# Altium PCB LTE-To-Serial-Adapter.PcbDoc (part 1 of 2)
Units mil, origin at the board's own origin, x right, y up, seen from the top; angles counter-clockwise.
Board outline 3800 x 1540 mil, 4 copper layers (Top Layer, Mid Layer 1 Sig, Mid Layer 2 GND, Bottom Layer), stack 63.912 mil thick; 80 components, 50 nets, 250 pads, 82 vias.
Unrouted connection lines stored in the file: 40.
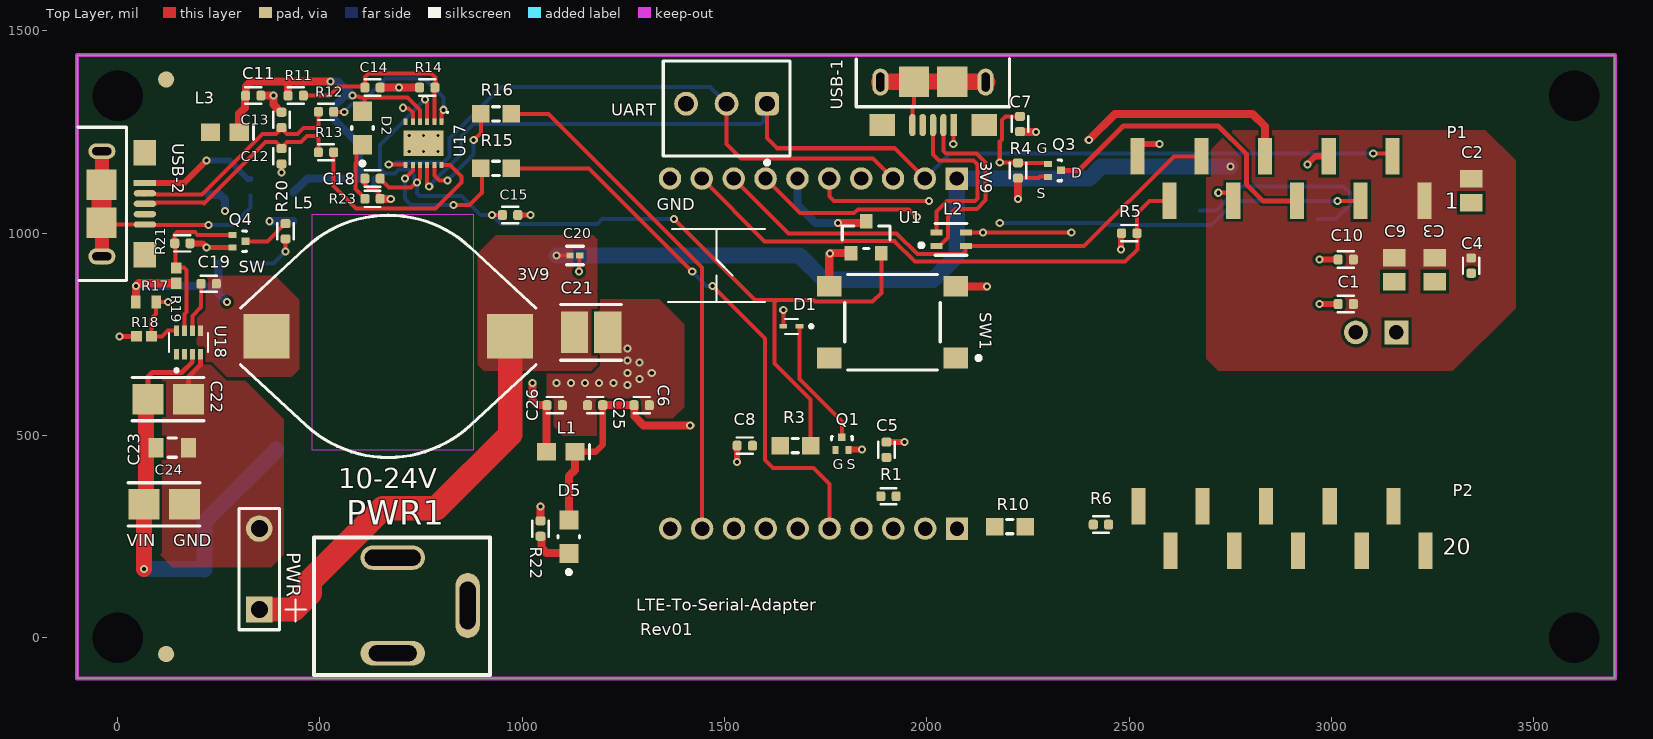
[diagram p0: Top Layer view]
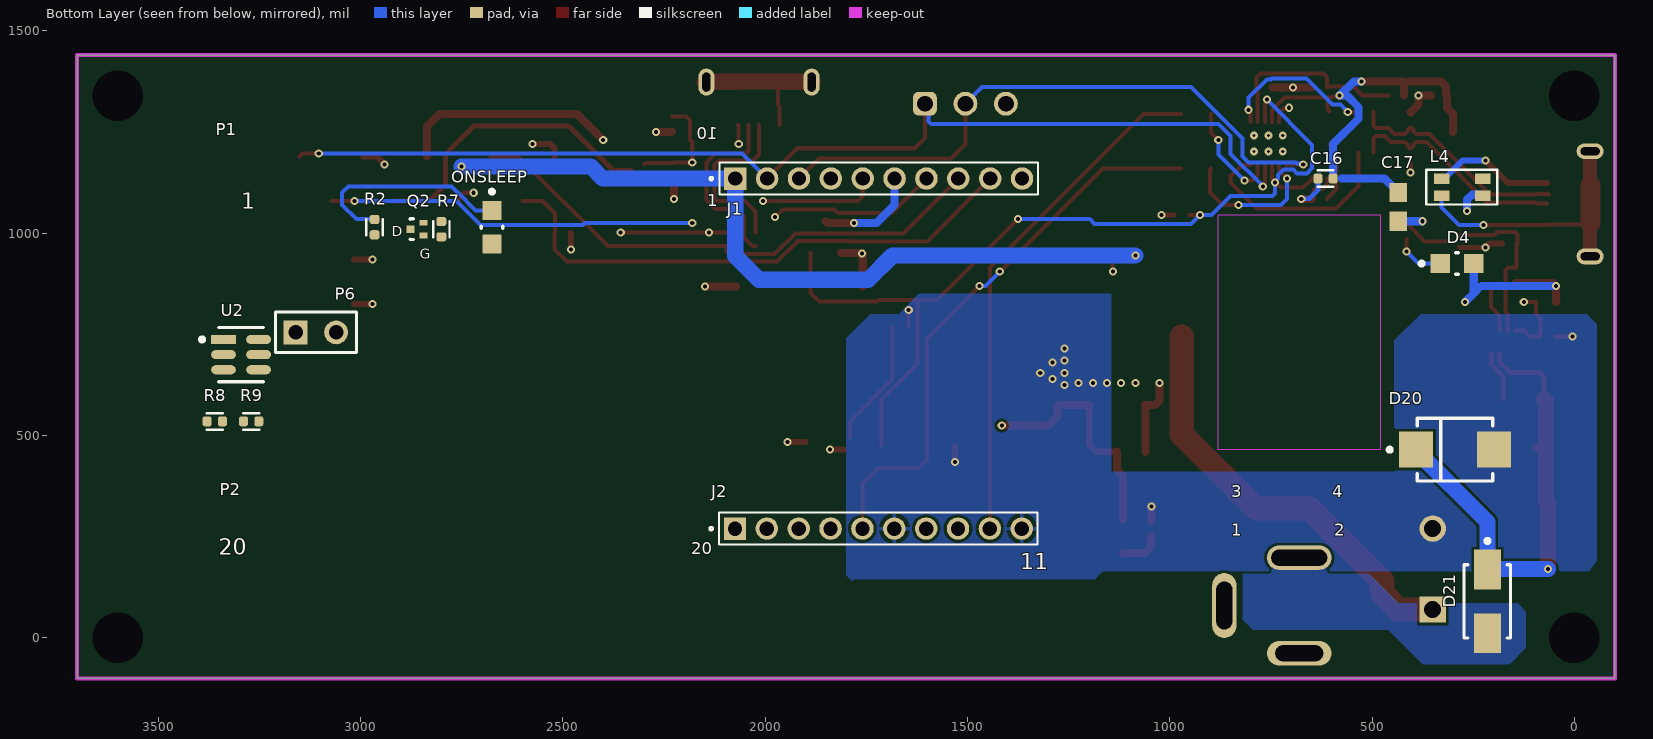
[diagram p1: Bottom Layer view, seen from below]
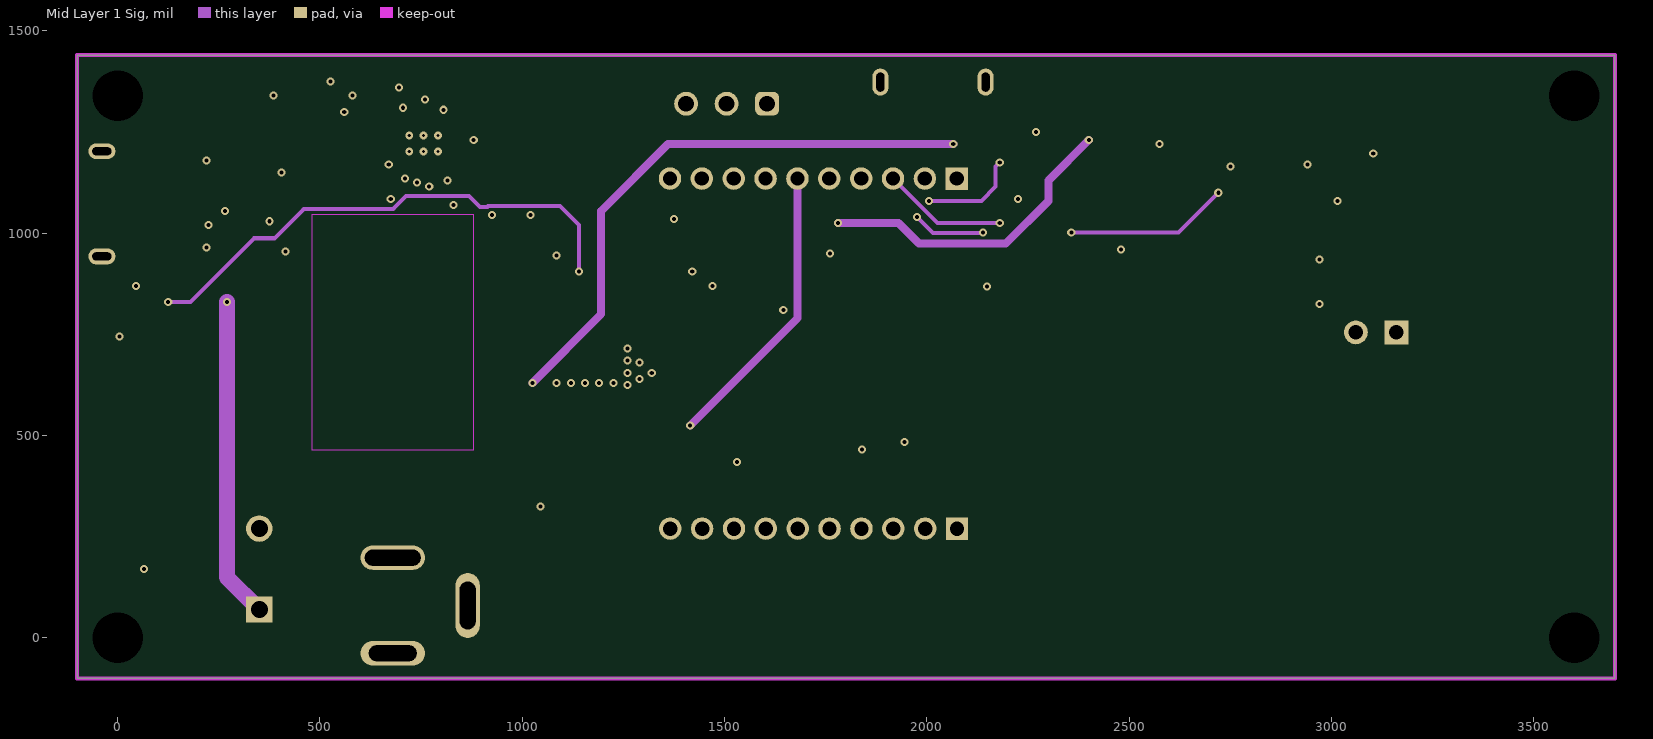
[diagram p2: Mid Layer 1 Sig]
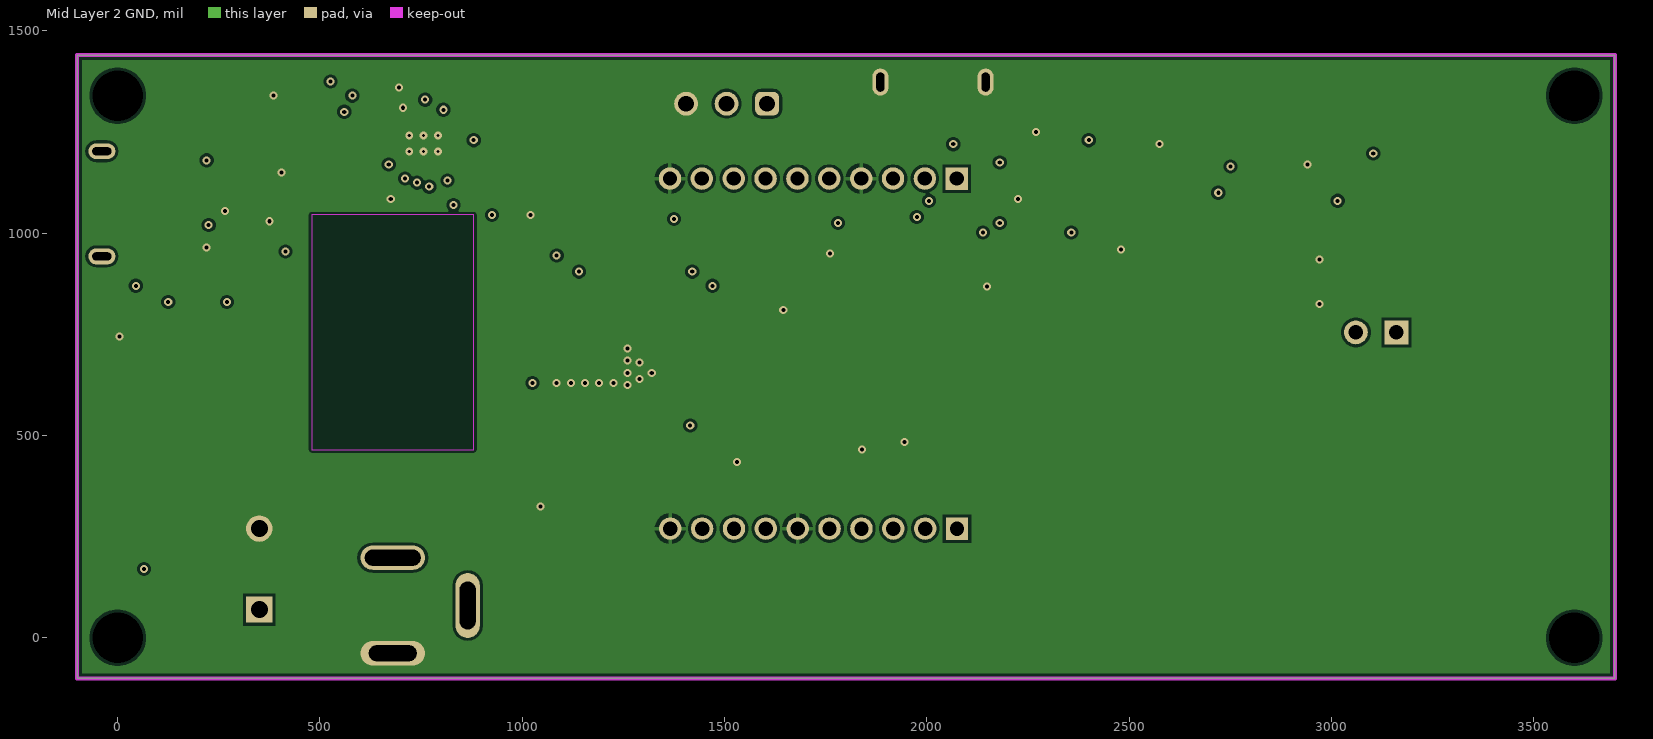
[diagram p3: Mid Layer 2 GND]

## Layer stack, top to bottom
Top Solder: solder mask 0.4, Solder Resist, Dk 3.5
Top Layer: signal copper 1.378
Dielectric 1: prepreg 5.1, PP-017, Dk 4.3
Dielectric 1A: prepreg 4.6, PP-016, Dk 4.4
Mid Layer 1 Sig: signal copper 1.378
Core: dielectric 39, FR-4, Dk 4.8
Mid Layer 2 GND: signal copper 1.378
Dielectric 4: prepreg 4.6, PP-016, Dk 4.4
Dielectric 2: prepreg 5.1, PP-017, Dk 4.3
Bottom Layer: signal copper 1.378
Bottom Solder: solder mask 0.4, Solder Resist, Dk 3.5

## Board outline
-100,-100 -100,1440 3700,1440 3700,-100

## Design rules (kind name [scope] priority, off if disabled: settings)
Clearance C20 [(InComponent('C20') AND IsPad) vs (InComponent('C20') AND IsPad)] p1: gap=7 ignorepadtopadclearanceinfootprint=FALSE except(2: SMDPad-SMDPad SMDPad-THPad SMDPad-Via SMDPad-Fill SMDPad-Poly SMDPad-Region SMDPad-Text; 10: Hole-Hole)
Clearance USB1 [(InComponent('USB-2') AND IsPad) vs IsPad] p2: gap=10 ignorepadtopadclearanceinfootprint=FALSE except(5: Arc-SMDPad Track-SMDPad SMDPad-SMDPad SMDPad-THPad SMDPad-Via SMDPad-Fill SMDPad-Poly SMDPad-Region SMDPad-Text; 7: Arc-Hole Track-Hole SMDPad-Hole THPad-Hole Via-Hole Fill-Hole Poly-Hole Region-Hole Text-Hole)
Clearance [All] p3: gap=7 ignorepadtopadclearanceinfootprint=FALSE except(10: Hole-Hole)
DiffPairsRouting "Schematic Differential Pairs Routing_9" [InNet('USB_P')] p1: maxlimit=20 minlimit=8 mostfreqgap=10 toplayer_minwidth=7 toplayer_maxwidth=10 toplayer_prefwidth=8 midlayer1_maxgap=10 midlayer1_minwidth=7 midlayer1_maxwidth=10 midlayer1_prefwidth=8 midlayer2_maxgap=10 midlayer2_minwidth=7 midlayer2_maxwidth=10 midlayer2_prefwidth=8 bottomlayer_minwidth=7 bottomlayer_maxwidth=10 bottomlayer_prefwidth=8 maxuncoupledlength=1000
DiffPairsRouting "Schematic Differential Pairs Routing_2" [InNet('USB_N')] p2: maxlimit=20 minlimit=8 mostfreqgap=10 toplayer_minwidth=7 toplayer_maxwidth=10 toplayer_prefwidth=8 midlayer1_maxgap=10 midlayer1_minwidth=7 midlayer1_maxwidth=10 midlayer1_prefwidth=8 midlayer2_maxgap=10 midlayer2_minwidth=7 midlayer2_maxwidth=10 midlayer2_prefwidth=8 bottomlayer_minwidth=7 bottomlayer_maxwidth=10 bottomlayer_prefwidth=8 maxuncoupledlength=1000
DiffPairsRouting [All] p3: maxlimit=10 minlimit=10 mostfreqgap=10 toplayer_minwidth=15 toplayer_maxwidth=15 toplayer_prefwidth=15 midlayer1_minwidth=15 midlayer1_maxwidth=15 midlayer1_prefwidth=15 midlayer2_minwidth=15 midlayer2_maxwidth=15 midlayer2_prefwidth=15 bottomlayer_minwidth=15 bottomlayer_maxwidth=15 bottomlayer_prefwidth=15 maxuncoupledlength=500
HoleSize [All] p1: absolutevalues=TRUE maxlimit=250 minlimit=1 maxpercent=80.000 minpercent=20.000
MinimumSolderMaskSliver [All] p1: minsoldermaskwidth=0.5
PolygonConnect PolygonConnect_1 [All] p1: connectstyle=Direct reliefconductorwidth=10 reliefentries=4 polygonreliefangle="90 Angle" airgapwidth=10
PolygonConnect "Top PWR GND" [InNet('GND') vs InNet('No Net')] p2: connectstyle=Direct reliefconductorwidth=10 reliefentries=4 polygonreliefangle="90 Angle" airgapwidth=10
RoomDefinition U_LTE_auto_start [InComponentClass('U_LTE_auto_start')] p1: confinementstyle=ConfineIn formatcopy=TRUE lockcomponents=FALSE outline -1865,-1025 4750,-1025 4750,2050 -1865,2050
RoomDefinition U_LTE_power [InComponentClass('U_LTE_power')] p2: confinementstyle=ConfineIn formatcopy=TRUE lockcomponents=FALSE outline -1465,1775 2185,1775 2185,-630 -1465,-630
RoomDefinition U_LTE_Adapter_Board [InComponentClass('U_LTE_Adapter_Board')] p3: confinementstyle=ConfineIn formatcopy=TRUE lockcomponents=FALSE outline -830,-369.37 4045,-369.37 4045,1850 -830,1850
RoomDefinition U_LTE_UART_USB_adapter [InComponentClass('U_LTE_UART_USB_adapter')] p4: confinementstyle=ConfineIn formatcopy=TRUE lockcomponents=FALSE outline -1165,-485 4475,-485 4475,1720 -1165,1720
RoutingVias [All] p1: holewidth=10 width=20 viastyle="Through Hole" minholewidth=5 minwidth=10 maxholewidth=10 maxwidth=20
SilkToSolderMaskClearance [IsPad] p1: minsilkscreentomaskgap=1 clearancetoexposedcopper=TRUE
SolderMaskExpansion [All] p1: expansion=4 istentingtop=FALSE
SupplyNets "Schematic Supply Nets_4" [InNet('GND')] p1: voltage=0.000
SupplyNets "Schematic Supply Nets_3" [InNet('VCC_SKY_VREF')] p2: voltage=0.000
SupplyNets "Schematic Supply Nets_2" [InNet('VBUS_USB1')] p3: voltage=0.000
SupplyNets "Schematic Supply Nets_1" [InNet('VCC_SKY_VUSB')] p4: voltage=0.000
SupplyNets "Schematic Supply Nets" [InNet('VCC_3V9')] p5: voltage=0.000
UnRoutedNet [All] p1: checkbadconnections=TRUE
Width [All] p1: maxlimit=100 minlimit=9 preferedwidth=10 minimp=50.000000 maximp=50.000000 favimp=50.000000
25 further rules are at their usual default settings.

## Classes and differential pairs
component class U_LTE_Adapter_Board: C1 C2 C3 C4 C5 C6 C7 C8 C9 C10 C25 C26 D1 D5 J1 J2 L1 L2 ONSLEEP P1 P2 Q1 Q2 Q3 R1 R2 R3 R4 R5 R6 R7 R10 R22 SW1 U1 UART USB-1
component class U_LTE_UART_USB_adapter: C11 C12 C13 C14 C15 C16 C17 C18 D2 L3 L4 R11 R12 R13 R14 R15 R16 R23 U17 USB-2
component class U_LTE_power: 25 C19 C20 C21 C22 C23 C24 D4 D20 D21 L5 PWR1 Q4 R17 R18 R19 R20 R21 U18
component class U_LTE_auto_start: P6 PWR R8 R9 U2
differential pair USB: +USB_P -USB_N

## Components (designator, comment, footprint, x,y, rotation, side; value= is the part's Value field where it differs from the comment)
C1 "C0402C104K4RAL7867" "SMD CAP 1005" 3035,825 r270 top value=0.1uF
C2 "GRM21BR60J107ME15K" CAPC1210M 3345,1105 r270 top
C3 "GRM21BR60J107ME15K" CAPC1210M 3255,910 r270 top
C4 "C0402C104K4RAL7867" "SMD CAP 1005" 3345,920 r0 top value=0.1uF
C5 "C0402C104K4RAL7867" "SMD CAP 1005" 1900,465 r180 top value=0.1uF
C6 "C0402C104K4RAL7867" "SMD CAP 1005" 1295,575 r90 top value=0.1uF
C7 "C0402C104K4RAL7867" "SMD CAP 1005" 2230,1270 r0 top value=0.1uF
C8 "C0402C104K4RAL7867" "SMD CAP 1005" 1550,475 r270 top value=0.1uF
C9 "DNP" CAPC1210M 3155,910 r270 top
C10 "C0402C104K4RAL7867" "SMD CAP 1005" 3035,935 r270 top value=0.1uF
C11 "GRM155R71H103KA88D" "SMD CAP 1005" 335,1340 r270 top
C12 "C1005C0G1H470G050BA" "SMD CAP 1005" 405,1190 r180 top
C13 "C1005C0G1H470G050BA" "SMD CAP 1005" 405,1280 r0 top
C14 "GRM155R71H103KA88D" "SMD CAP 1005" 630,1360 r270 top
C15 "C0402C104K4RAL7867" "SMD CAP 1005" 970,1045 r90 top value=0.1uF
C16 "C0402C104K4RAL7867" "SMD CAP 1005" 615,1135 r270 bottom value=0.1uF
C17 "GRM188R61A475KAAJD" CAPC1608M 435,1065 r90 bottom
C18 "C0402C104K4RAL7867" "SMD CAP 1005" 630,1135 r90 top value=0.1uF
C19 "C0402C104K4RAL7867" "SMD CAP 1005" 225,875 r90 top value=0.1uF
C20 "GRM0335C1E470JA01D" FP-GRM033-0_03-IPC_B 1130,945 r0 top
C21 "GRM32ER61C476KE15L" FP-GRM32E-0_3-0_2-IPC_C 1170,755 r0 top locked
C22 "C3216X5R1H106K160AB" FP-C3216-160-0_2-IPC_A 125,590 r0 top locked
C23 "CGA3E2X7R1H104K080AA" FP-CGA3E-0_3-0_1-IPC_A 135,470 r0 top locked
C24 "C3216X5R1H106K160AB" FP-C3216-160-0_2-IPC_A 115,330 r0 top
C25 "C0402C104K4RAL7867" "SMD CAP 1005" 1180,575 r270 top value=0.1uF
C26 "C0402C104K4RAL7867" "SMD CAP 1005" 1080,575 r90 top value=0.1uF
D1 "DF2S6.2FS,L3M" SODFL1006X40N 1665,770 r180 top value=TVS
D2 "LTST-C170GKT" FP-LTST-C170GKT-MFG 605,1260 r90 top value=LED
D4 "LTST-C170GKT" FP-LTST-C170GKT-MFG 290,925 r180 bottom value=LED
D5 "LTST-C170GKT" FP-LTST-C170GKT-MFG 1115,250 r90 top value=LED
D20 "SMBJ28A" FP-SMBJ-MFG 295,465 r180 bottom value="TVS Voltage - Reverse Standoff (Typ) 28V  Voltage - Breakdown (Min) 31V"
D21 "B340A-13-F" FP-SMA-MFG 215,90 r270 bottom
J1 "MTMM-110-04-G-S-215" HDRV10W50P200_10X1_2000X200H696 1719.33,1135 r180 bottom value="Connector Board to Board LTE"
J2 "MTMM-110-04-G-S-215" HDRV10W50P200_10X1_2000X200H696 1720,270 r180 bottom value="Connector Board to Board LTE"
L1 "BLM18KG121TN1D" INDC1608M 1095,460 r180 top value="120 Ohms @ 100 MHz"
L2 "SRF2012-900YA" FP-SRF2012A-MFG 2060,985 r0 top
L3 "CTCB0603F-800M" INDC1608M 265,1250 r180 top value=FB
L4 "1206USB-223MLB" 1206USB-223MLB 282,1115 r90 bottom
L5 "5.6µH, 5.3A" "WE-PD4_Type X" 668.82,745 r0 top
ONSLEEP "LTST-C170GKT" FP-LTST-C170GKT-MFG 2675,1015 r270 bottom value=LED
P1 "NPPN101BFLC-RC" NPPN101BFLC-RC 3230,1135 r0 top value="Connector LTE"
P2 "NPPN101BFLC-RC" NPPN101BFLC-RC 2522.52,270 r180 top value="Connector LTE"
P6 "Header 2" HDR1X2 3160,755 r180 bottom
PWR "Header 2" Wire_entry_200mil 350,170 r0 top
PWR1 "PJ-202A" PJ-202AH 697.78,83.61 r270 top
Q1 "RUM001L02T2CL" FP-VMT3-MFG 1790,480 r0 top
Q2 "RUM001L02T2CL" FP-VMT3-MFG 2860,1010 r90 bottom
Q3 "RUM001L02T2CL" FP-VMT3-MFG 2315,1155 r270 top
Q4 "RUM001L02T2CL" FP-VMT3-MFG 300,980 r270 top
R1 "CR0402-FX-1001GLF" "SMD RES 1005" 1905,350 r0 top
R2 "ERJ-2RKF3300X" "SMD RES 1005" 2965,1015 r90 bottom
R3 "RMCF0603ZT0R00" RESC1608M 1675,475 r0 top
R4 "RC0402JR-0710KL" "SMD RES 1005" 2225,1155 r90 top
R5 "CR0402-FX-1001GLF" "SMD RES 1005" 2500,1000 r0 top
R6 "CR0402-FX-1001GLF" "SMD RES 1005" 2430,280 r180 top
R7 "CR0402-FX-1004GLF" "SMD RES 1005" 2800,1010 r270 bottom
R8 "YAG3195CT-ND" "SMD RES 1005" 3360,535 r180 bottom
R9 "RC0402JR-0710KL" "SMD RES 1005" 3270,535 r180 bottom
R10 "RMCF0603ZT0R00" RESC1608M 2205,275 r0 top
R11 "RC0402JR-0710KL" "SMD RES 1005" 440,1340 r180 top
R12 "MCR01MRTJ270" "SMD RES 1005" 515,1300 r180 top value=27
R13 "MCR01MRTJ270" "SMD RES 1005" 515,1200 r180 top value=27
R14 "ERJ-2RKF1502X" "SMD RES 1005" 765,1360 r0 top value=15K
R15 "RMCF0603ZT0R00" RESC1608M 935,1160 r0 top
R16 "RMCF0603ZT0R00" RESC1608M 935,1295 r0 top
R17 "RC0603FR-0739KL" RESC1608X55X25LL10T15 70,830 r180 top
R18 "CRCW040210K0FKEDHP" RESC1005X40X25ML05T10 65,745 r0 top value="10K OHM 1% 1/5W 0402"
R19 "CRCW040210K0FKEDHP" RESC1005X40X25ML05T10 145,895 r270 top value="10K OHM 1%"
R20 "ERJ-2RKF3300X" "SMD RES 1005" 415,1005 r270 top
R21 "CR0402-FX-1004GLF" "SMD RES 1005" 160,975 r180 top
R22 "ERJ-2RKF3300X" "SMD RES 1005" 1045,270 r270 top
R23 "ERJ-2RKF3300X" "SMD RES 1005" 630,1085 r180 top
SW1 "PTS645SM43SMTR92LFS" FP-PTS645SM43SMTR92LFS-MFG 1915,780 r180 top value=Switch
U1 "AP2120N-3.3TRG1" FP-SOT23-MFG 1850,990 r90 top
U2 "TPL5111DDCT" FP-DDC0006A-IPC_B 3295,700 r180 bottom value=IC
U17 "FT234XD-R" DFN-12_V 756.14,1221.85 r270 top
U18 "TPS62933PDRLR" SOFL50P160X60-8N 175,730 r90 top locked value=IC
UART "61900311121" 61900311121 1505,1308.19 r0 top
USB-1 "10118193-0001LF" "10118193-0001LF Rev01" 2015,1375 r0 top value="CONN USB MICRO B RECPT SMT R/A"
USB-2 "10118193-0001LF" "10118193-0001LF REV01" -40.45,1072.59 r90 top value="CONN USB MICRO B RECPT SMT R/A"

## Footprints (in the part's own frame and the unit in brackets; to place one, negate y for a bottom-side part, rotate by r counter-clockwise, add the part's x,y. Pads: shape width x height; smd on the part's side, far side on the other; paste and mask are expansions set on the pad)
1206USB-223MLB [mil]
  rect 26x38 smd: 1(-22,46) 2(-22,-56) 3(19,-56) 4(19,46)
  silkscreen extent -44,-91 42,84
"10118193-0001LF Rev01" [mm] "Updated mounting hole sized to 0.5x1.2mm"
  rect 0.4x1.4 smd: 1(1.304,-2.736)
  oval 0.4x1.4 smd: 2(0.654,-2.736) 3(0.004,-2.736) 4(-0.646,-2.736) 5(-1.296,-2.736)
  rect 1.6x1.4 smd: 7(3.204,-2.736) 8(-3.196,-2.736)
  oval 1x1.7 hole 0.5 slot 1.2 at 90 deg: MH1(-3.3,-0.036) MH1(3.3,-0.036)
  rect 1.9x1.9 smd: MH1(-1.196,-0.011) MH1(1.204,-0.011)
  silkscreen extent -4.82,-1.59 4.8,1.44, body extent -3.99,-2.69 3.99,2.74, height 2.77
"10118193-0001LF REV01" [mm] "Updated mounting hole sized to 0.5x1.2mm"
  rect 0.4x1.4 smd: 1(1.304,-2.736)
  oval 0.4x1.4 smd: 2(0.654,-2.736) 3(0.004,-2.736) 4(-0.646,-2.736) 5(-1.296,-2.736)
  rect 1.6x1.4 smd: 7(3.204,-2.736) 8(-3.196,-2.736)
  oval 1x1.7 hole 0.5 slot 1.2 at 90 deg: MH1(-3.3,-0.036) MH1(3.3,-0.036)
  rect 1.9x1.9 smd: MH1(-1.196,-0.011) MH1(1.204,-0.011)
  silkscreen extent -4.82,-1.59 4.8,1.44, body extent -3.99,-2.69 3.99,2.74, height 2.77
61900311121 [mm] "2.54mm Male Locking Header, 3p"
  rrect50% 1.5x1.5 hole 1: 1(2.54,0.3)
  round 1.5 hole 1: 2(0,0.3) 3(-2.54,0.3)
  silkscreen extent -3.98,-3.52 3.98,2.98, body extent -3.81,-2.9 3.81,2.9, height 11.53
CAPC1210M [mm] "Chip Capacitor, Body 1.2x1.0mm, IPC Low Density"
  rect 1.1x1.4 smd: 1(-0.75,0) 2(0.75,0)
  body extent -1,-0.62 1,0.63, height 0.9
CAPC1608M [mm] "Chip Capacitor, Body 1.6x0.8mm, IPC Low Density"
  rect 1.2x1.1 smd: 1(-0.9,0) 2(0.9,0)
  body extent -0.8,-0.4 0.8,0.4, height 0.8
DFN-12_V [mm] "SON, 12-Leads, Body 3x3mm, Pitch 0.45mm, Thermal Pad 2.5x1.6mm"
  rect 0.4x0.25 smd: 1(-1.35,1.125) 2(-1.35,0.675) 3(-1.35,0.225) 4(-1.35,-0.225) 5(-1.35,-0.675) 6(-1.35,-1.125) 7(1.35,-1.125) 8(1.35,-0.675) 9(1.35,-0.225) 10(1.35,0.225) 11(1.35,0.675) 12(1.35,1.125)
  rect 1.6x2.5 smd mask+0.102: 13(0,0)
  silkscreen extent -2,1.45 -1.9,1.55, body extent -1.5,-1.5 1.5,1.5, height 0.9
FP-C3216-160-0_2-IPC_A [mil]
  rect 76.93x75.05 smd paste+0 mask+0: 1(-50.24,0) 2(50.24,0)
  silkscreen extent -89,-53 89,53, body extent -108,-57 108,57, height 10
FP-CGA3E-0_3-0_1-IPC_A [mm]
  rect 0.956x1.206 smd paste+0 mask+0: 1(-1.025,0) 2(1.025,0)
  silkscreen extent -0.25,-0.6 0.25,0.6, body extent -2,-1.1 2,1.1, height 0.25
FP-DDC0006A-IPC_B [mm]
  rect 1.554x0.572 smd paste+0 mask+0: 1(-1.1,0.95)
  rrect100% 1.554x0.572 smd paste+0 mask+0: 2(-1.1,0) 3(-1.1,-0.95) 4(1.1,-0.95) 5(1.1,0) 6(1.1,0.95)
  silkscreen extent -2.58,-1.7 1.4,1.7, body extent -1.4,-1.45 1.4,1.45, height 1.1
FP-GRM32E-0_3-0_2-IPC_C [mil]
  rect 67.04x102.61 smd paste+0 mask+0: 1(-41.36,0) 2(41.36,0)
  silkscreen extent -75,-69 75,69, body extent -79,-57 79,57, height 10
FP-GRM033-0_03-IPC_B [mil]
  rect 17.88x14.28 smd paste+0 mask+0: 1(-11.98,0) 2(11.98,0)
  silkscreen extent -21,-23 21,23, body extent -27,-13 27,13, height 10
FP-LTST-C170GKT-MFG [mm]
  rect 1.2x1.2 smd paste+0 mask+0: 1(-1.05,0) 2(1.05,0)
  silkscreen extent -2.35,-0.67 0.08,0.67, body extent -1.75,-0.77 1.75,0.77, height 0.25
FP-PTS645SM43SMTR92LFS-MFG [mm]
  rect 1.55x1.3 smd paste+0 mask+0: 1(-3.975,2.25) 2(3.975,2.25) 3(-3.975,-2.25) 4(3.975,-2.25)
  silkscreen extent -5.53,-3 3,3, body extent -3.95,-2.99 3.95,3.01, height 7.79
FP-SMA-MFG [mm]
  rect 2.5x1.7 smd paste+0 mask+0: 1(-2,0) 2(2,0)
  silkscreen extent -3.92,-1.46 2.3,1.46, body extent -2.6,-1.3 2.6,1.3, height 2.4
FP-SMBJ-MFG [mm]
  rect 2.16x2.26 smd paste+0 mask+0: 1(-2.45,0) 2(2.45,0)
  silkscreen extent -4.23,-1.97 2.37,1.97, body extent -2.7,-1.81 2.7,1.81, height 2.44
FP-SOT23-MFG [mm]
  rect 0.9x0.8 smd paste+0 mask+0: 1(-1,0.95) 2(-1,-0.95) 3(1,0)
  silkscreen extent -0.7,-1.5 0.7,1.5, body extent -1.12,-1.44 1.1,1.46, height 1.1
FP-SRF2012A-MFG [mm]
  rect 0.75x0.4 smd paste+0 mask+0: 1(-0.925,-0.425) 2(0.925,-0.425) 3(0.925,0.425) 4(-0.925,0.425)
  silkscreen extent -2,-1 1,1, body extent -1,-0.6 1,0.6, height 1.4
FP-VMT3-MFG [mm]
  rect 0.37x0.5 smd paste+0 mask+0: 1(-0.4,-0.4) 2(0.4,-0.4)
  rect 0.47x0.5 smd paste+0 mask+0: 3(0,0.4)
  silkscreen extent -0.65,0.22 0.65,0.45, body extent -0.75,-0.75 0.75,0.75, height 0.25
HDR1X2 [mm] "Connector; Header; 2 Position"
  rect 1.5x1.5 hole 0.9: 1(0,0)
  round 1.5 hole 0.9: 2(2.54,0)
  silkscreen extent -1.27,-1.27 3.81,1.27
HDRV10W50P200_10X1_2000X200H696 [mm]
  rect 1.408x1.408 hole 0.9: 1(-9,0)
  round 1.408 hole 0.9: 2(-7,0) 3(-5,0) 4(-3,0) 5(-1,0) 6(1,0) 7(3,0) 8(5,0) 9(7,0) 10(9,0)
  silkscreen extent -10.6,-1 10,1
INDC1608M [mm] "Chip Inductor, Body 1.6x0.8mm, IPC Low Density"
  rect 1.2x1.1 smd: 1(-0.9,0) 2(0.9,0)
  silkscreen extent -1.8,-0.45 -1.8,0.45, body extent -0.87,-0.48 0.87,0.48, height 0.71
NPPN101BFLC-RC [mm] "CONN HDR 10POS 0.079 GOLD SMD"
  rect 0.89x2.29 smd: 1(-0.017,-1.4) 2(-2.017,1.4) 3(-4.017,-1.4) 4(-6.017,1.4) 5(-8.017,-1.4) 6(-10.017,1.4) 7(-12.017,-1.4) 8(-14.017,1.4) 9(-16.017,-1.4) 10(-18.017,1.4)
  body extent -19.25,-1.99 1.25,2.01, height 4.43
PJ-202AH [mil] "Power Barrel Connector Jack 2.10mm ID (0.083\"), 5.50mm OD (0.217\") Through Hole, Right Angle"
  oval 60x160 hole 39.37 slot 137.8 at 90 deg: 1(-114.5,-17.81)
  oval 160x60 hole 39.37 slot 118.11 at 0 deg: 2(3.61,167.22)
  oval 60x160 hole 39.37 slot 118.11 at 90 deg: 3(121.72,-17.81)
  silkscreen extent -165,-213 176,222, body extent -143,-198 424,172, height 433
RESC1005X40X25ML05T10 [mm] "Chip Resistor, 2-Leads, Body 1.00x0.50mm, IPC Low Density"
  rect 0.7x0.65 smd: 1(-0.475,0) 2(0.475,0)
  body extent -0.53,-0.27 0.53,0.28, height 0.4
RESC1608M [mm] "Chip Resistor, Body 1.6x0.8mm, IPC Low Density"
  rect 1.1x1.1 smd: 1(-0.95,0) 2(0.95,0)
  silkscreen extent -0.2,-0.45 0.2,0.45, body extent -0.77,-0.42 0.78,0.43, height 0.45
RESC1608X55X25LL10T15 [mm] "Chip Resistor, 2-Leads, Body 1.60x0.80mm, IPC High Density"
  rect 0.6x0.8 smd: 1(-0.65,0) 2(0.65,0)
  body extent -0.85,-0.45 0.85,0.45, height 0.55
"SMD CAP 1005" [mm] "1005 3D"
  rrect50% 0.62x0.57 smd paste+0: 1(0,0.48) 2(0,-0.48)
  silkscreen extent -0.51,-0.5 0.51,0.5, body extent -0.3,-0.47 0.3,0.53, height 0.2
"SMD RES 1005" [mm]
  rrect50% 0.57x0.62 smd paste+0: 1(-0.48,0) 2(0.48,0)
  silkscreen extent -0.5,-0.51 0.5,0.51, body extent -0.57,-0.27 0.58,0.28, height 0.41
SODFL1006X40N [mm]
  rrect25% 0.49x0.3 smd: 1(0.505,0) 2(-0.505,0)
  silkscreen extent -1.35,-0.47 0.4,0.47, body extent -0.52,-0.32 0.53,0.32, height 0.43
SOFL50P160X60-8N [mm]
  rrect25% 0.66x0.32 smd mask+0: 1(-0.735,0.75) 2(-0.735,0.25) 3(-0.735,-0.25) 4(-0.735,-0.75) 5(0.735,-0.75) 6(0.735,-0.25) 7(0.735,0.25) 8(0.735,0.75)
  silkscreen extent -1.85,-1.23 0.6,1.23, body extent -0.8,-1.05 0.8,1.05, height 0.6
"WE-PD4_Type X" [mm] "SMD Power Inductor, body 18.5x15.2mm"
  rect 2.9x2.8 smd: 1(-7.65,0) 2(7.65,0)
  silkscreen extent -9.27,-7.6 9.27,7.6, body extent -9.27,-7.62 9.27,7.62, height 7.15
Wire_entry_200mil [mil]
  rect 65x65 hole 42: 1(0,-100)
  round 65 hole 42: 2(0,100)
  silkscreen extent -50,-150 115,150

## Part data
C1 C4 C5 C6 C7 C8 C10 C15 C16 C18 C19 C25 C26: library part 1000742, "0.1 µF ±10% 16V Ceramic Capacitor X7R 0402 (1005 Metric)", Capacitance=0.10µF, Capacitor_Type=Ceramic, Digi-Key Part Number=399-C0402C104K4RAL7867CT-ND, Manufacturer=KEMET, Manufacturer1=Kemet, Manufacturer2="Samsung Electro-Mechanics America, Inc", Manufacturer_Part_Number1=C0402C104K4RALTU, Manufacturer_Part_Number2=CL05B104KO5NNNC, Operating_Temperature="-55°C ~ 125°C", Package_Case="0402 (1005 Metric)", Temperature_Coefficient=X7R, Tolerance=±10%, Voltage_Rating=16V, Applications="General Purpose", Bom_View=https://app.bom.com/a/YGZ57I1I1KJQDBOE?v=bom.indented, Costing_View=https://app.bom.com/a/YGZ57I1I1KJQDBOE?v=costing.summary, Datasheet_Link=http://www.samsungsem.com/kr/support/product-search/mlcc/CL05B104KO5NNNC.jsp, Distributor1=Digi-Key, Distributor2=Digi-Key, Distributor_Part_Number1=399-6342-1-ND, Distributor_Part_Number2=1276-1001-1-ND, Files_View=https://app.bom.com/a/YGZ57I1I1KJQDBOE?v=files.associations, Item_Phase=Production, Manufacturer Product Number=C0402C104K4RAL7867, Mounting_Type="Surface Mount", Part_Number=1000742, Part_Type=Capacitor, Revision=A, Size_Dimension="0.039\" L x 0.020\" W (1.00mm x 0.50mm)", Sourcing_View=https://app.bom.com/a/YGZ57I1I1KJQDBOE?v=sourcing.relationships, Specs_View=https://app.bom.com/a/YGZ57I1I1KJQDBOE?v=spec.summary, Thickness_Max="0.022\" (0.55mm)"
C2 C3: library part 1001241, "100 µF ±20% 6.3V Ceramic Capacitor X5R 0805 (2012 Metric)", Capacitance=100uF, Capacitor_Type=Ceramic, Digi-Key Part Number=490-GRM21BR60J107ME15KCT-ND, Manufacturer="Murata Electronics", Manufacturer1="Taiyo Yuden", Manufacturer_Part_Number1=LMK325BJ107MM-T, Operating_Temperature="-55C ~ +85C", Package_Case="1210 (3225 Metric)", Temperature_Coefficient=X5R, Tolerance="+/- 20%", Voltage_Rating=6.3V, Applications="General Purpose", Bom_View=https://app.bom.com/a/FXGMOZIZI107USQH?v=bom.indented, Costing_View=https://app.bom.com/a/FXGMOZIZI107USQH?v=costing.summary, Datasheet_Link=http://www.yuden.co.jp/productdata/catalog/en/mlcc_all_e.pdf, Distributor1=Digi-Key, Distributor_Part_Number1=587-1965-1-ND, Files_View=https://app.bom.com/a/FXGMOZIZI107USQH?v=files.associations, Item_Phase=Production, Manufacturer Product Number=GRM21BR60J107ME15K, Mounting_Type="Surface Mount", Part_Number=1001241, Part_Type=Capacitor, Revision=A, Size_Dimension="0.126 L x 0.098\" W (3.20mm x 2.50mm)", Sourcing_View=https://app.bom.com/a/FXGMOZIZI107USQH?v=sourcing.relationships, Specs_View=https://app.bom.com/a/FXGMOZIZI107USQH?v=spec.summary, Thickness_Max="0.106 (2.70mm)\""
  C3: Population=NP
C9: library part 1001241, "100 µF ±20% 6.3V Ceramic Capacitor X5R 0805 (2012 Metric)", Capacitance=100uF, Capacitor_Type=Ceramic, Manufacturer1="Taiyo Yuden", Manufacturer_Part_Number1=LMK325BJ107MM-T, Operating_Temperature="-55C ~ +85C", Package_Case="1210 (3225 Metric)", Temperature_Coefficient=X5R, Tolerance="+/- 20%", Voltage_Rating=10V, Applications="General Purpose", Bom_View=https://app.bom.com/a/FXGMOZIZI107USQH?v=bom.indented, Costing_View=https://app.bom.com/a/FXGMOZIZI107USQH?v=costing.summary, Datasheet_Link=http://www.yuden.co.jp/productdata/catalog/en/mlcc_all_e.pdf, Digi-Key Part Number=DNP, Distributor1=Digi-Key, Distributor_Part_Number1=587-1965-1-ND, Files_View=https://app.bom.com/a/FXGMOZIZI107USQH?v=files.associations, Item_Phase=Production, Manufacturer=DNP, Manufacturer Product Number=DNP, Mounting_Type="Surface Mount", Part_Number=1001241, Part_Type=Capacitor, Population=DNP, Revision=A, Size_Dimension="0.126 L x 0.098\" W (3.20mm x 2.50mm)", Sourcing_View=https://app.bom.com/a/FXGMOZIZI107USQH?v=sourcing.relationships, Specs_View=https://app.bom.com/a/FXGMOZIZI107USQH?v=spec.summary, Thickness_Max="0.106 (2.70mm)\""
C11 C14: library part "Cap Semi", "10000 pF ±10% 50V Ceramic Capacitor X7R 0402 (1005 Metric)", Capacitance=10nF, Digi-Key Part Number=490-4516-1-ND, Manufacturer="Murata Electronics North America", Supplier Part Number 1=490-4516-6-ND, Cost=0.02558, Manufacturer Product Number=GRM155R71H103KA88D, PackageDescription="Chip Capacitor", PackageReference=0402, Supplier 1=Digi-Key
C12 C13: library part "Cap Semi", "47 pF ±2% 50V Ceramic Capacitor C0G, NP0 0402 (1005 Metric)", Capacitance=47pF, Digi-Key Part Number=445-5364-1-ND, Manufacturer="TDK Corporation", Supplier Part Number 1=445-5364-6-ND, Cost=0.02558, Manufacturer Product Number=C1005C0G1H470G050BA, PackageDescription="Chip Capacitor", PackageReference=0402, Supplier 1=Digi-Key
C17: library part "Cap Semi", "4.7 µF ±10% 10V Ceramic Capacitor X5R 0603 (1608 Metric)", Capacitance=4.7uF, Digi-Key Part Number=490-14373-1-ND, Manufacturer="Murata Electronics North America", Supplier Part Number 1=490-3302-6-ND, Cost=0.02558, Manufacturer Product Number=GRM188R61A475KAAJD, PackageDescription="Chip Capacitor", PackageReference=0402, Supplier 1=DigiKey, Supplier 2=Digi-Key, Supplier Part Number 2=490-14373-1-ND
C20: library part CMP-2010-00985-2, "47 pF ±5% 25V Ceramic Capacitor C0G, NP0 0201 (0603 Metric)", Capacitance=47pF, Case Code (Imperial)=0201, Case Code (Metric)=0603, Dielectric=C0G, Digi-Key Part Number=490-1256-1-ND, Manufacturer="Murata Electronics", Max Operating Temperature=125°C, Min Operating Temperature=-55°C, Package Quantity=15000, Tolerance=5%, Voltage Rating=25V, Case/Package=0201, Depth=0.3mm, Lead Free="Lead Free", Length=0.024inch, Manufacturer Product Number=GRM0335C1E470JA01D, Mount="Surface Mount", Packaging="Tape and Reel", REACH SVHC="No SVHC", Termination=SMD/SMT, Thickness=0.013inch, Voltage Rating (DC)=25V, Width=0.012inch